# KiCad board GanJing 65 rev 2 solder-rounded.kicad_pcb
title: GanJing 65 rev 2 solder; date: 2021-11-19; rev: 2; company: Mingze Jin
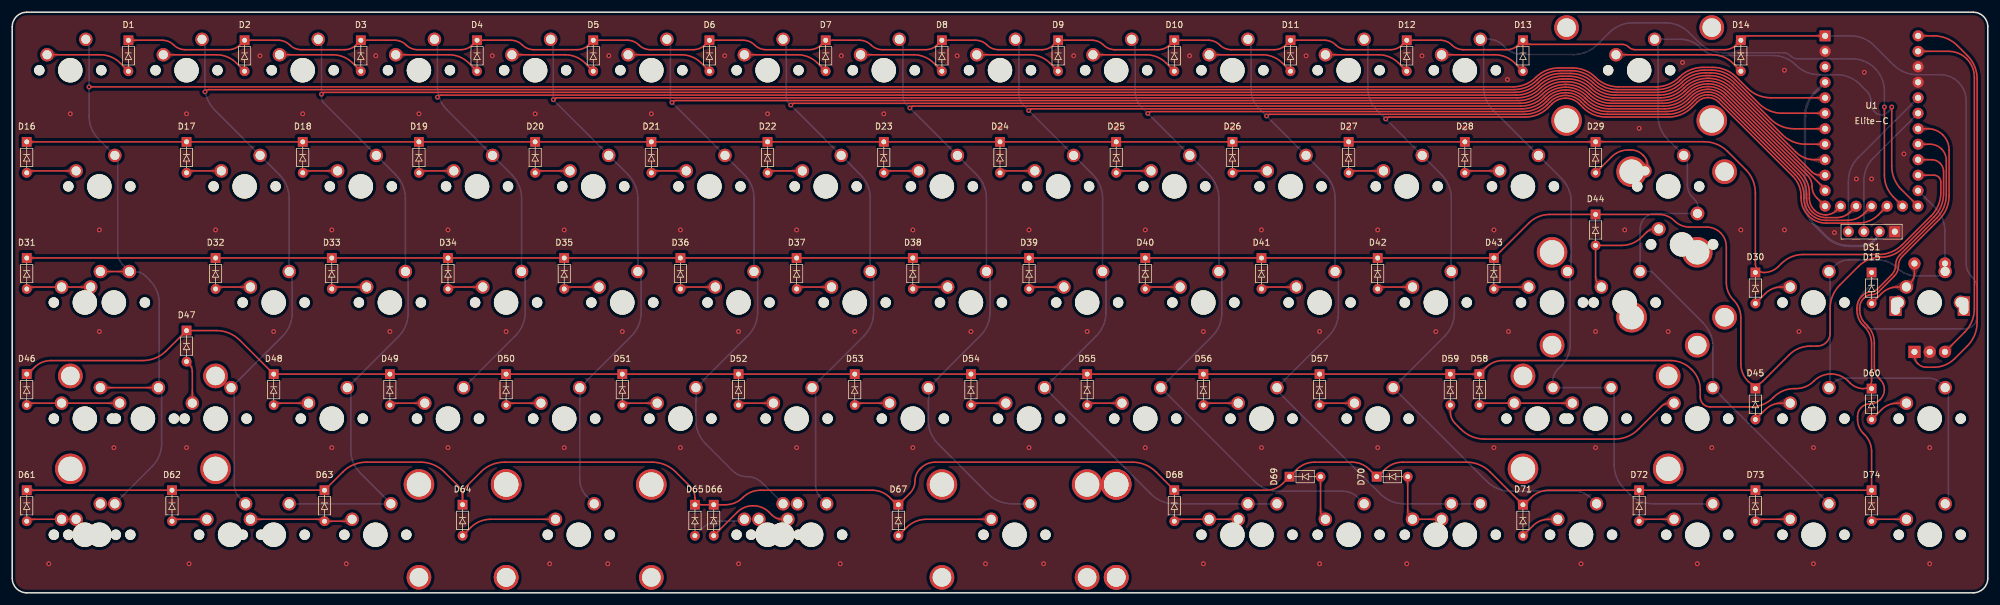
[diagram p0: board, top side]
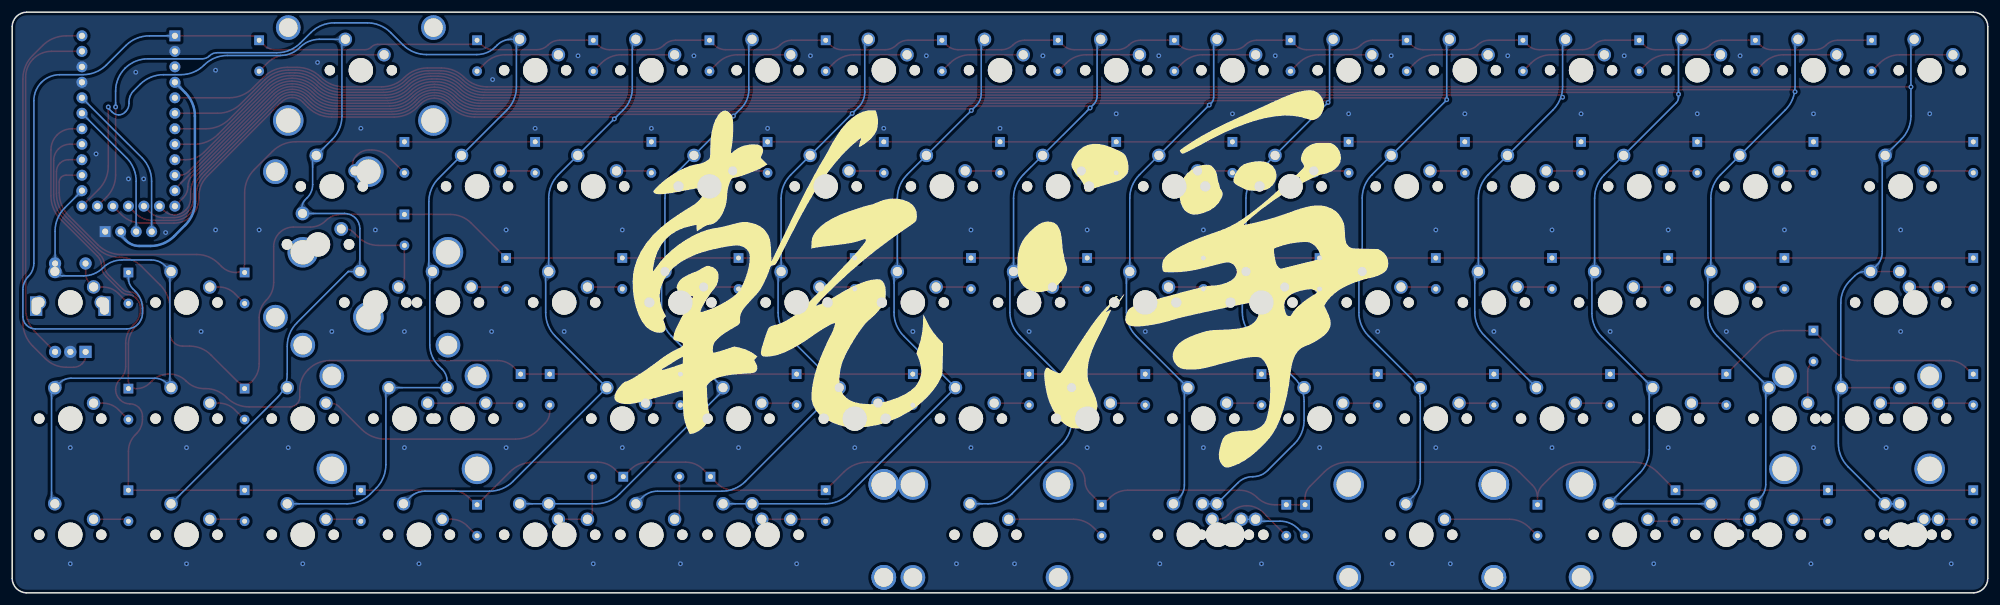
[diagram p1: board, bottom side, seen from below]

Outline 323.85 x 95.25 mm; copper layers: Top, Bottom. Coordinates in mm from the lower left corner of the outline.
Outline path: 0,92.87 0,2.38 arc(0.7,0.7) 2.38,0 321.47,0 arc(323.15,0.7) 323.85,2.38 323.85,92.87 arc(323.15,94.55) 321.47,95.25 2.38,95.25 arc(0.7,94.55) 0,92.87
Stack: Top 0.035mm / dielectric 1.51mm FR4 er 4.5 / Bottom 0.035mm

## Placement (name value [footprint] x y rotation side)
D1  -  [1N4148TR_diode]  19.05 88.11 0 top
D2  -  [1N4148TR_diode]  38.1 88.11 0 top
D3  -  [1N4148TR_diode]  57.15 88.11 0 top
D4  -  [1N4148TR_diode]  76.2 88.11 0 top
D5  -  [1N4148TR_diode]  95.25 88.11 0 top
D6  -  [1N4148TR_diode]  114.3 88.11 0 top
D7  -  [1N4148TR_diode]  133.35 88.11 0 top
D8  -  [1N4148TR_diode]  152.4 88.11 0 top
D9  -  [1N4148TR_diode]  171.45 88.11 0 top
D10  -  [1N4148TR_diode]  190.5 88.11 0 top
D11  -  [1N4148TR_diode]  209.55 88.11 0 top
D12  -  [1N4148TR_diode]  228.6 88.11 0 top
D13  -  [1N4148TR_diode]  247.65 88.11 0 top
D14  -  [1N4148TR_diode]  283.37 88.11 0 top
D15  -  [1N4148TR_diode]  304.8 50.01 0 top
D16  -  [1N4148TR_diode]  2.38 71.44 0 top
D17  -  [1N4148TR_diode]  28.57 71.44 0 top
D18  -  [1N4148TR_diode]  47.62 71.44 0 top
D19  -  [1N4148TR_diode]  66.68 71.44 0 top
D20  -  [1N4148TR_diode]  85.72 71.44 0 top
D21  -  [1N4148TR_diode]  104.78 71.44 0 top
D22  -  [1N4148TR_diode]  123.83 71.44 0 top
D23  -  [1N4148TR_diode]  142.88 71.44 0 top
D24  -  [1N4148TR_diode]  161.93 71.44 0 top
D25  -  [1N4148TR_diode]  180.97 71.44 0 top
D26  -  [1N4148TR_diode]  200.03 71.44 0 top
D27  -  [1N4148TR_diode]  219.08 71.44 0 top
D28  -  [1N4148TR_diode]  238.13 71.44 0 top
D29  -  [1N4148TR_diode]  259.56 71.44 0 top
D30  -  [1N4148TR_diode]  285.75 50.01 0 top
D31  -  [1N4148TR_diode]  2.38 52.39 0 top
D32  -  [1N4148TR_diode]  33.34 52.39 0 top
D33  -  [1N4148TR_diode]  52.39 52.39 0 top
D34  -  [1N4148TR_diode]  71.44 52.39 0 top
D35  -  [1N4148TR_diode]  90.49 52.39 0 top
D36  -  [1N4148TR_diode]  109.54 52.39 0 top
D37  -  [1N4148TR_diode]  128.59 52.39 0 top
D38  -  [1N4148TR_diode]  147.64 52.39 0 top
D39  -  [1N4148TR_diode]  166.69 52.39 0 top
D40  -  [1N4148TR_diode]  185.74 52.39 0 top
D41  -  [1N4148TR_diode]  204.79 52.39 0 top
D42  -  [1N4148TR_diode]  223.84 52.39 0 top
D43  -  [1N4148TR_diode]  242.89 52.39 0 top
D44  -  [1N4148TR_diode]  259.56 59.53 0 top
D45  -  [1N4148TR_diode]  285.75 30.96 0 top
D46  -  [1N4148TR_diode]  2.38 33.34 0 top
D47  -  [1N4148TR_diode]  28.57 40.48 0 top
D48  -  [1N4148TR_diode]  42.86 33.34 0 top
D49  -  [1N4148TR_diode]  61.91 33.34 0 top
D50  -  [1N4148TR_diode]  80.96 33.34 0 top
D51  -  [1N4148TR_diode]  100.01 33.34 0 top
D52  -  [1N4148TR_diode]  119.06 33.34 0 top
D53  -  [1N4148TR_diode]  138.11 33.34 0 top
D54  -  [1N4148TR_diode]  157.16 33.34 0 top
D55  -  [1N4148TR_diode]  176.21 33.34 0 top
D56  -  [1N4148TR_diode]  195.26 33.34 0 top
D57  -  [1N4148TR_diode]  214.31 33.34 0 top
D58  -  [1N4148TR_diode]  240.51 33.34 0 top
D59  -  [1N4148TR_diode]  235.74 33.34 0 top
D60  -  [1N4148TR_diode]  304.8 30.96 0 top
D61  -  [1N4148TR_diode]  2.38 14.29 0 top
D62  -  [1N4148TR_diode]  26.19 14.29 0 top
D63  -  [1N4148TR_diode]  51.19 14.29 0 top
D64  -  [1N4148TR_diode]  73.82 11.91 0 top
D65  -  [1N4148TR_diode]  111.92 11.91 0 top
D66  -  [1N4148TR_diode]  114.99 11.91 0 top
D67  -  [1N4148TR_diode]  145.26 11.91 0 top
D68  -  [1N4148TR_diode]  190.5 14.29 0 top
D69  -  [1N4148TR_diode]  211.93 19.05 90 top
D70  -  [1N4148TR_diode]  226.22 19.05 90 top
D71  -  [1N4148TR_diode]  247.65 11.91 0 top
D72  -  [1N4148TR_diode]  266.7 14.29 0 top
D73  -  [1N4148TR_diode]  285.75 14.29 0 top
D74  -  [1N4148TR_diode]  304.8 14.29 0 top
DS1  -  [SSD1306_128x64_OLED]  304.8 71.2 0 top
MX1  -  [MX_1u_no_LED]  9.52 85.72 0 top
MX2  -  [MX_1u_no_LED]  28.57 85.72 0 top
MX3  -  [MX_1u_no_LED]  47.62 85.72 0 top
MX4  -  [MX_1u_no_LED]  66.68 85.72 0 top
MX5  -  [MX_1u_no_LED]  85.72 85.72 0 top
MX6  -  [MX_1u_no_LED]  104.78 85.72 0 top
MX7  -  [MX_1u_no_LED]  123.83 85.72 0 top
MX8  -  [MX_1u_no_LED]  142.88 85.72 0 top
MX9  -  [MX_1u_no_LED]  161.93 85.72 0 top
MX10  -  [MX_1u_no_LED]  180.97 85.72 0 top
MX11  -  [MX_1u_no_LED]  200.03 85.72 0 top
MX12  -  [MX_1u_no_LED]  219.08 85.72 0 top
MX13  -  [MX_1u_no_LED]  238.13 85.72 0 top
MX14  -  [MX_2u_no_LED]  266.7 85.72 0 top
MX15  -  [MX_1u_no_LED#2]  314.31 47.64 0 top
MX16  -  [MX_1.5u_no_LED]  14.29 66.67 0 top
MX17  -  [MX_1u_no_LED]  38.1 66.67 0 top
MX18  -  [MX_1u_no_LED]  57.15 66.67 0 top
MX19  -  [MX_1u_no_LED]  76.2 66.67 0 top
MX20  -  [MX_1u_no_LED]  95.25 66.67 0 top
MX21  -  [MX_1u_no_LED]  114.3 66.67 0 top
MX22  -  [MX_1u_no_LED]  133.35 66.67 0 top
MX23  -  [MX_1u_no_LED]  152.4 66.67 0 top
MX24  -  [MX_1u_no_LED]  171.45 66.67 0 top
MX25  -  [MX_1u_no_LED]  190.5 66.67 0 top
MX26  -  [MX_1u_no_LED]  209.55 66.67 0 top
MX27  -  [MX_1u_no_LED]  228.6 66.67 0 top
MX28  -  [MX_1u_no_LED]  247.65 66.67 0 top
MX29  -  [MX_1.5u_no_LED]  271.46 66.67 0 top
MX30  -  [MX_1u_no_LED]  295.27 47.62 0 top
MX31  -  [MX_1.75u_no_LED]  16.67 47.62 0 top
MX32  -  [MX_1u_no_LED]  42.86 47.62 0 top
MX33  -  [MX_1u_no_LED]  61.91 47.62 0 top
MX34  -  [MX_1u_no_LED]  80.96 47.62 0 top
MX35  -  [MX_1u_no_LED]  100.01 47.62 0 top
MX36  -  [MX_1u_no_LED]  119.06 47.62 0 top
MX37  -  [MX_1u_no_LED]  138.11 47.62 0 top
MX38  -  [MX_1u_no_LED]  157.16 47.62 0 top
MX39  -  [MX_1u_no_LED]  176.21 47.62 0 top
MX40  -  [MX_1u_no_LED]  195.26 47.62 0 top
MX41  -  [MX_1u_no_LED]  214.31 47.62 0 top
MX42  -  [MX_1u_no_LED]  233.36 47.62 0 top
MX43  -  [MX_1u_no_LED]  252.41 47.62 0 top
MX44  MX_2.25u_no_LED  [MX_2.25u_no_LED_flipped_stabs]  264.32 47.62 0 top
MX45  -  [MX_1u_no_LED]  295.27 28.57 0 top
MX46  -  [MX_2.25u_no_LED]  21.43 28.57 0 top
MX47  -  [MX_1u_no_LED]  33.34 28.57 0 top
MX48  -  [MX_1u_no_LED]  52.39 28.57 0 top
MX49  -  [MX_1u_no_LED]  71.44 28.57 0 top
MX50  -  [MX_1u_no_LED]  90.49 28.57 0 top
MX51  -  [MX_1u_no_LED]  109.54 28.57 0 top
MX52  -  [MX_1u_no_LED]  128.59 28.57 0 top
MX53  -  [MX_1u_no_LED]  147.64 28.57 0 top
MX54  -  [MX_1u_no_LED]  166.69 28.57 0 top
MX55  -  [MX_1u_no_LED]  185.74 28.57 0 top
MX56  -  [MX_1u_no_LED]  204.79 28.57 0 top
MX57  -  [MX_1u_no_LED]  223.84 28.57 0 top
MX58  -  [MX_2.75u_no_LED]  259.56 28.57 0 top
MX59  -  [MX_1u_no_LED]  276.22 28.57 0 top
MX60  -  [MX_1u_no_LED]  314.32 28.57 0 top
MX61  -  [MX_1.25u_no_LED]  11.91 9.53 0 top
MX62  -  [MX_1.25u_no_LED]  35.72 9.53 0 top
MX63  -  [MX_1.25u_no_LED]  59.53 9.53 0 top
MX64  -  [MX_2.25u_no_LED_flipped_stabs]  92.87 9.53 0 top
MX65  -  [MX_1.25u_no_LED]  126.21 9.53 0 top
MX66  -  [MX_6.25u_no_LED_flipped_stabs]  130.97 9.53 0 top
MX67  -  [MX_2.75u_no_LED_flipped_stabs]  164.31 9.53 0 top
MX68  -  [MX_1u_no_LED]  200.03 9.53 0 top
MX69  -  [MX_1u_no_LED]  219.08 9.53 0 top
MX70  -  [MX_1u_no_LED]  238.13 9.53 0 top
MX71  -  [MX_1u_no_LED]  257.17 9.53 0 top
MX72  -  [MX_1u_no_LED]  276.22 9.53 0 top
MX73  -  [MX_1u_no_LED]  295.27 9.53 0 top
MX74  -  [MX_1u_no_LED]  314.32 9.53 0 top
MX75  -  [MX_1.75u_stepped_no_LED]  11.91 47.62 0 top
MX76  -  [MX_ISO_no_LED_flipped_stabs]  273.72 57.15 0 top
MX77  -  [MX_1.25u_no_LED]  11.91 28.57 0 top
MX78  -  [MX_1.75u_no_LED]  250.03 28.57 0 top
MX79  -  [MX_1.5u_no_LED]  14.29 9.53 0 top
MX80  -  [MX_1.5u_no_LED]  42.86 9.53 0 top
MX81  -  [MX_7u_no_LED_flipped_stabs]  123.83 9.53 0 top
MX82  -  [MX_1.5u_no_LED]  204.79 9.53 0 top
MX83  -  [MX_1.5u_no_LED]  233.36 9.53 0 top
REF***  -  [Logo]  161.93 47.62 0 top
SW1  -  [EC11_rotary_encoder]  314.32 47.03 0 top
U1  -  [Elite-C]  304.8 77.4 0 top

## Library data of the parts
MX1-MX13 MX15 MX17-MX28 MX30 MX32-MX43 MX45 MX47-MX57 MX59 MX60 MX68-MX74 = -: Size: 1u
MX14 = -: Size: 2u
MX16 MX29 MX79 MX80 MX82 MX83 = -: Size: 1.5u
MX31 MX75 MX78 = -: Size: 1.75u
MX44 MX46 MX64 = -: Size: 2.25u
MX58 MX67 = -: Size: 2.75u
MX61-MX63 MX65 MX77 = -: Size: 1.25u
MX66 = -: Size: 6.25u
MX76 = -: Size: ISO
MX81 = -: Size: 7u

## Footprints (pads in the part's own frame, mm; a bottom-side part is the same pattern mirrored in y, then rotated)
1N4148TR_diode
  rect 1.6x1.6 hole 0.8: 1(0,2.54)
  oval 1.6x1.6 hole 0.8: 2(0,-2.54)
EC11_rotary_encoder
  rect 2x3.2 hole 1.5x2.8 unplated: (-5.6,0) (5.6,0)
  rect 2x2 hole 1: A(-2.5,-7.5)
  round 2 hole 1: B(2.5,-7.5) C(0,-7.5) S1(2.5,7) S2(-2.5,7)
Elite-C
  rect 1.8x1.8 hole 1: 1(-7.62,13.97)
  round 1.8 hole 1: 2(-7.62,11.43) 3(-7.62,8.89) 4(-7.62,6.35) 5(-7.62,3.81) 6(-7.62,1.27) 7(-7.62,-1.27) 8(-7.62,-3.81) 9(-7.62,-6.35) 10(-7.62,-8.89) 11(-7.62,-11.43) 12(-7.62,-13.97) 13(7.62,-13.97) 14(7.62,-11.43) 15(7.62,-8.89) 16(7.62,-6.35) 17(7.62,-3.81) 18(7.62,-1.27) 19(7.62,1.27) 20(7.62,3.81) 21(7.62,6.35) 22(7.62,8.89) 23(7.62,11.43) 24(7.62,13.97) 25(-5.08,-13.97) 26(-2.54,-13.97) 27(0,-13.97) 28(2.54,-13.97) 29(5.08,-13.97)
MX_1.5u_no_LED
  round 1.7 hole 1.7 unplated: (-5.08,0) (5.08,0)
  round 4 hole 4 unplated: (0,0)
  round 2.2 hole 1.5: 1(2.54,5.08) 2(-3.81,2.54)
MX_1.25u_no_LED
  round 1.7 hole 1.7 unplated: (-5.08,0) (5.08,0)
  round 4 hole 4 unplated: (0,0)
  round 2.2 hole 1.5: 1(2.54,5.08) 2(-3.81,2.54)
MX_1.75u_no_LED
  round 1.7 hole 1.7 unplated: (-5.08,0) (5.08,0)
  round 4 hole 4 unplated: (0,0)
  round 2.2 hole 1.5: 1(2.54,5.08) 2(-3.81,2.54)
MX_1.75u_stepped_no_LED
  round 1.7 hole 1.7 unplated: (-5.08,0) (5.08,0)
  round 4 hole 4 unplated: (0,0)
  round 2.2 hole 1.5: 1(2.54,5.08) 2(-3.81,2.54)
MX_1u_no_LED
  round 1.7 hole 1.7 unplated: (-5.08,0) (5.08,0)
  round 4 hole 4 unplated: (0,0)
  round 2.2 hole 1.5: 1(2.54,5.08) 2(-3.81,2.54)
MX_1u_no_LED#2
  round 2.25 hole 1.7 unplated: (-5.08,0) (5.08,0)
  round 4 hole 4 unplated: (0,0)
  round 2.2 hole 1.5: 1(2.54,5.08) 2(-3.81,2.54)
MX_2.25u_no_LED
  round 4.05 hole 3.05 unplated: (-11.9,7) (11.9,7)
  round 5 hole 4 unplated: (-11.9,-8.24) (11.9,-8.24)
  round 1.7 hole 1.7 unplated: (-5.08,0) (5.08,0)
  round 4 hole 4 unplated: (0,0)
  round 2.2 hole 1.5: 1(2.54,5.08) 2(-3.81,2.54)
MX_2.25u_no_LED_flipped_stabs
  round 5 hole 4 unplated: (-11.9,8.24) (11.9,8.24)
  round 4.05 hole 3.05 unplated: (-11.9,-7) (11.9,-7)
  round 1.7 hole 1.7 unplated: (-5.08,0) (5.08,0)
  round 4 hole 4 unplated: (0,0)
  round 2.2 hole 1.5: 1(2.54,5.08) 2(-3.81,2.54)
MX_2.75u_no_LED
  round 4.05 hole 3.05 unplated: (-11.9,7) (11.9,7)
  round 5 hole 4 unplated: (-11.9,-8.24) (11.9,-8.24)
  round 1.7 hole 1.7 unplated: (-5.08,0) (5.08,0)
  round 4 hole 4 unplated: (0,0)
  round 2.2 hole 1.5: 1(2.54,5.08) 2(-3.81,2.54)
MX_2.75u_no_LED_flipped_stabs
  round 5 hole 4 unplated: (-11.9,8.24) (11.9,8.24)
  round 4.05 hole 3.05 unplated: (-11.9,-7) (11.9,-7)
  round 1.7 hole 1.7 unplated: (-5.08,0) (5.08,0)
  round 4 hole 4 unplated: (0,0)
  round 2.2 hole 1.5: 1(2.54,5.08) 2(-3.81,2.54)
MX_2u_no_LED
  round 4.05 hole 3.05 unplated: (-11.9,7) (11.9,7)
  round 5 hole 4 unplated: (-11.9,-8.24) (11.9,-8.24)
  round 1.7 hole 1.7 unplated: (-5.08,0) (5.08,0)
  round 4 hole 4 unplated: (0,0)
  round 2.2 hole 1.5: 1(2.54,5.08) 2(-3.81,2.54)
MX_6.25u_no_LED_flipped_stabs
  round 5 hole 4 unplated: (-50,8.255) (50,8.255)
  round 4.05 hole 3.05 unplated: (-50,-6.985) (50,-6.985)
  round 1.7 hole 1.7 unplated: (-5.08,0) (5.08,0)
  round 4 hole 4 unplated: (0,0)
  round 2.2 hole 1.5: 1(2.54,5.08) 2(-3.81,2.54)
MX_7u_no_LED_flipped_stabs
  round 5 hole 4 unplated: (-57.15,8.255) (57.15,8.255)
  round 4.05 hole 3.05 unplated: (-57.15,-6.985) (57.15,-6.985)
  round 1.7 hole 1.7 unplated: (-5.08,0) (5.08,0)
  round 4 hole 4 unplated: (0,0)
  round 2.2 hole 1.5: 1(2.54,5.08) 2(-3.81,2.54)
MX_ISO_no_LED_flipped_stabs
  round 5 hole 4 unplated: (-8.255,11.938) (-8.255,-11.938)
  round 1.75 hole 1.75 unplated: (-5.08,0) (5.08,0)
  round 3.988 hole 3.988 unplated: (0,0)
  round 4.05 hole 3.05 unplated: (6.985,11.938) (6.985,-11.938)
  round 2.25 hole 1.47: 1(2.54,5.08) 2(-3.81,2.54)
SSD1306_128x64_OLED
  rect 1.8x1.8 hole 1: 1(3.81,-11.95)
  round 1.8 hole 1: 2(1.27,-11.95) 3(-1.27,-11.95) 4(-3.81,-11.95)

## Nets
GND: DS1.1 SW1.C U1.2 U1.21 U1.22
VCC: DS1.2 U1.4
col_1: MX1.1 MX16.1 MX31.1 MX46.1 MX61.1 MX75.1 MX77.1 MX79.1 U1.5
col_2: MX2.1 MX17.1 MX32.1 MX47.1 MX62.1 U1.6
col_3: MX3.1 MX18.1 MX33.1 MX48.1 MX63.1 MX80.1 U1.7
col_4: MX4.1 MX19.1 MX34.1 MX49.1 U1.8
col_5: MX5.1 MX20.1 MX35.1 MX50.1 MX64.1 U1.9
col_6: MX6.1 MX21.1 MX36.1 MX51.1 MX65.1 MX81.1 U1.10
col_7: MX7.1 MX22.1 MX37.1 MX52.1 MX66.1 U1.11
col_8: MX8.1 MX23.1 MX38.1 MX53.1 MX67.1 U1.12
col_9: MX9.1 MX24.1 MX39.1 MX54.1 MX68.1 MX82.1 U1.25
col_10: MX10.1 MX25.1 MX40.1 MX55.1 MX69.1 U1.26
col_11: MX11.1 MX26.1 MX41.1 MX56.1 MX70.1 MX83.1 U1.27
col_12: MX12.1 MX27.1 MX42.1 MX57.1 MX71.1 U1.28
col_13: MX13.1 MX28.1 MX43.1 MX58.1 MX72.1 MX78.1 U1.29
col_14: MX14.1 MX29.1 MX44.1 MX59.1 MX73.1 MX76.1 U1.13
col_15: MX15.1 MX30.1 MX45.1 MX60.1 MX74.1 SW1.S1 U1.14
rotory_1: SW1.A U1.24
rotory_2: SW1.B U1.23
row_1: D1.1 D2.1 D3.1 D4.1 D5.1 D6.1 D7.1 D8.1 D9.1 D10.1 D11.1 D12.1 D13.1 D14.1 D15.1 U1.1
row_2: D16.1 D17.1 D18.1 D19.1 D20.1 D21.1 D22.1 D23.1 D24.1 D25.1 D26.1 D27.1 D28.1 D29.1 D30.1 U1.15
row_3: D31.1 D32.1 D33.1 D34.1 D35.1 D36.1 D37.1 D38.1 D39.1 D40.1 D41.1 D42.1 D43.1 D44.1 D45.1 U1.16
row_4: D46.1 D47.1 D48.1 D49.1 D50.1 D51.1 D52.1 D53.1 D54.1 D55.1 D56.1 D57.1 D58.1 D59.1 D60.1 U1.17
row_5: D61.1 D62.1 D63.1 D64.1 D65.1 D66.1 D67.1 D68.1 D69.1 D70.1 D71.1 D72.1 D73.1 D74.1 U1.18
S2: D15.2 MX15.2 SW1.S2
SCL: DS1.3 U1.19
SDA: DS1.4 U1.20
Net-(D1-Pad2): D1.2 MX1.2
Net-(D2-Pad2): D2.2 MX2.2
Net-(D3-Pad2): D3.2 MX3.2
Net-(D4-Pad2): D4.2 MX4.2
Net-(D5-Pad2): D5.2 MX5.2
Net-(D6-Pad2): D6.2 MX6.2
Net-(D7-Pad2): D7.2 MX7.2
Net-(D8-Pad2): D8.2 MX8.2
Net-(D9-Pad2): D9.2 MX9.2
Net-(D10-Pad2): D10.2 MX10.2
Net-(D11-Pad2): D11.2 MX11.2
Net-(D12-Pad2): D12.2 MX12.2
Net-(D13-Pad2): D13.2 MX13.2
Net-(D14-Pad2): D14.2 MX14.2
Net-(D16-Pad2): D16.2 MX16.2
Net-(D17-Pad2): D17.2 MX17.2
Net-(D18-Pad2): D18.2 MX18.2
Net-(D19-Pad2): D19.2 MX19.2
Net-(D20-Pad2): D20.2 MX20.2
Net-(D21-Pad2): D21.2 MX21.2
Net-(D22-Pad2): D22.2 MX22.2
Net-(D23-Pad2): D23.2 MX23.2
Net-(D24-Pad2): D24.2 MX24.2
Net-(D25-Pad2): D25.2 MX25.2
Net-(D26-Pad2): D26.2 MX26.2
Net-(D27-Pad2): D27.2 MX27.2
Net-(D28-Pad2): D28.2 MX28.2
Net-(D29-Pad2): D29.2 MX29.2
Net-(D30-Pad2): D30.2 MX30.2
Net-(D31-Pad2): D31.2 MX31.2 MX75.2
Net-(D32-Pad2): D32.2 MX32.2
Net-(D33-Pad2): D33.2 MX33.2
Net-(D34-Pad2): D34.2 MX34.2
Net-(D35-Pad2): D35.2 MX35.2
Net-(D36-Pad2): D36.2 MX36.2
Net-(D37-Pad2): D37.2 MX37.2
Net-(D38-Pad2): D38.2 MX38.2
Net-(D39-Pad2): D39.2 MX39.2
Net-(D40-Pad2): D40.2 MX40.2
Net-(D41-Pad2): D41.2 MX41.2
Net-(D42-Pad2): D42.2 MX42.2
Net-(D43-Pad2): D43.2 MX43.2
Net-(D44-Pad2): D44.2 MX44.2 MX76.2
Net-(D45-Pad2): D45.2 MX45.2
Net-(D46-Pad2): D46.2 MX46.2 MX77.2
Net-(D47-Pad2): D47.2 MX47.2
Net-(D48-Pad2): D48.2 MX48.2
Net-(D49-Pad2): D49.2 MX49.2
Net-(D50-Pad2): D50.2 MX50.2
Net-(D51-Pad2): D51.2 MX51.2
Net-(D52-Pad2): D52.2 MX52.2
Net-(D53-Pad2): D53.2 MX53.2
Net-(D54-Pad2): D54.2 MX54.2
Net-(D55-Pad2): D55.2 MX55.2
Net-(D56-Pad2): D56.2 MX56.2
Net-(D57-Pad2): D57.2 MX57.2
Net-(D58-Pad2): D58.2 MX58.2 MX78.2
Net-(D59-Pad2): D59.2 MX59.2
Net-(D60-Pad2): D60.2 MX60.2
Net-(D61-Pad2): D61.2 MX61.2 MX79.2
Net-(D62-Pad2): D62.2 MX62.2
Net-(D63-Pad2): D63.2 MX63.2 MX80.2
Net-(D64-Pad2): D64.2 MX64.2
Net-(D65-Pad2): D65.2 MX65.2 MX81.2
Net-(D66-Pad2): D66.2 MX66.2
Net-(D67-Pad2): D67.2 MX67.2
Net-(D68-Pad2): D68.2 MX68.2 MX82.2
Net-(D69-Pad2): D69.2 MX69.2
Net-(D70-Pad2): D70.2 MX70.2 MX83.2
Net-(D71-Pad2): D71.2 MX71.2
Net-(D72-Pad2): D72.2 MX72.2
Net-(D73-Pad2): D73.2 MX73.2
Net-(D74-Pad2): D74.2 MX74.2

Pads without a net: U1 3

## Via types
v1: diameter 0.8, hole 0.4, Top to Bottom, 112 vias

## Routing (per net, layer and track width the routed paths; a pad name or vN(x,y) marks a point on that pad's centre or on a via; arc(x,y) is an arc through that point)
GND:
  vias: v1(5.99,4.76) v1(9.52,78.58) v1(14.29,59.53) v1(14.29,42.86) v1(16.67,23.81) v1(28.57,78.58) v1(28.57,23.81) v1(28.99,4.76) v1(33.34,59.53) v1(40.6,88.1) v1(42.86,42.86) v1(47.62,78.58) v1(52.39,59.53) v1(52.39,23.81) v1(54.77,4.76) v1(59.6,88.1) v1(61.91,42.86) v1(66.68,78.58) v1(71.44,59.53) v1(71.44,23.81) v1(78.7,88.1) v1(80.96,42.86) v1(85.72,78.58) v1(88.11,4.76) v1(90.49,59.53) v1(90.49,23.81) v1(97.63,4.76) v1(97.8,88.1) v1(100.01,42.86) v1(104.78,78.58) v1(109.54,59.53) v1(109.54,23.81) v1(116.8,88.1) v1(119.06,42.86) v1(119.06,4.76) v1(123.83,78.58) v1(128.59,59.53) v1(128.59,23.81) v1(135.73,4.76) v1(135.9,88.1) v1(138.11,42.86) v1(142.88,78.58) v1(147.64,59.53) v1(147.64,23.81) v1(154.9,88.1) v1(157.16,42.86) v1(159.54,4.76) v1(161.93,76.2) v1(166.69,59.53) v1(166.69,23.81) v1(169.07,4.76) v1(174,88.1) v1(176.21,42.86) v1(180.97,76.2) v1(185.74,59.53) v1(185.74,23.81) v1(193,88.1) v1(195.26,42.86) v1(195.26,4.76) v1(200.03,76.2) v1(204.79,59.53) v1(204.79,23.81) v1(212.1,88.1) v1(214.31,42.86) v1(214.31,4.76) v1(219.08,76.2) v1(223.84,59.53) v1(223.84,23.81) v1(228.6,4.76) v1(231.1,88.1) v1(233.36,42.86) v1(238.13,76.2) v1(242.89,59.53) v1(242.89,23.81) v1(245.1,84.2) v1(245.27,42.86) v1(257.17,4.76) v1(259.56,42.86) v1(259.56,23.81) v1(264.32,59.53) v1(266.7,76.2) v1(271.46,42.86) v1(273.8,87) v1(276.22,4.76) v1(278.61,23.81) v1(283.37,59.53) v1(290.51,85.72) v1(290.51,59.53) v1(292.89,42.86) v1(295.27,23.81) v1(295.27,4.76) v1(298.7,59.1) v1(302.3,67.9) v1(303.6,85.4) v1(304.8,67.9) v1(310.1,72) v1(314.32,23.81) v1(314.32,4.76)
VCC: length 37.4
  Bottom w0.4: 306.07,58.67 305.19,57.78 arc(304.2,57.13) 303.05,56.9 301.15,56.9 arc(299.07,57.31) 297.31,58.49 295.49,60.31 arc(294.31,62.07) 293.9,64.15 293.9,78.22 arc(294.31,80.3) 295.49,82.06 U1.4
col_1: length 385.8
  Top w0.25: U1.5 288.27,81.21 arc(286.19,81.62) 284.42,82.8 282.62,84.61 arc(280.85,85.79) 278.77,86.2 277.15,86.2 arc(275.07,85.79) 273.31,84.61 273.29,84.59 arc(271.53,83.41) 269.45,83 263.29,83 arc(261.27,83.4) 259.55,84.55 arc(257.83,85.7) 255.81,86.1 253.49,86.1 arc(251.47,85.7) 249.75,84.55 arc(248.03,83.4) 246.01,83 12.62,83 arc(12.61,83) 12.61,82.99 v1(12.6,82.99) ; MX46.1 MX77.1 ; MX31.1 MX75.1
  Bottom w0.25: MX16.1 14.19,74.39 arc(13.01,76.15) 12.6,78.24 12.6,90.27 ; 24.5,33.13 24.5,24.53 arc(24.09,22.45) 22.91,20.68 17.67,15.45 arc(16.74,14.82) 15.64,14.6 14.45,14.6 ; 18.54,53.37 18.25,53.66 arc(17.55,54.72) 17.3,55.96 17.3,71.28 ; 24.1,33.78 24.1,47.58 arc(23.71,49.54) 22.6,51.2 21.76,52.04 arc(21.02,52.53) 20.15,52.71
col_2: length 355.2
  Top w0.25: U1.6 290.17,78.67 arc(288.09,79.08) 286.32,80.26 282.43,84.16 arc(280.67,85.34) 278.58,85.75 277.34,85.75 arc(275.26,85.34) 273.49,84.16 273.48,84.14 arc(271.71,82.96) 269.63,82.55 263.11,82.55 arc(261.08,82.95) 259.36,84.1 arc(257.65,85.25) 255.62,85.65 253.68,85.65 arc(251.65,85.25) 249.94,84.1 arc(248.22,82.95) 246.19,82.55 32.2,82.55 arc(31.97,82.5) 31.77,82.37 v1(31.6,82.2)
  Bottom w0.25: 31.6,90.32 31.6,83.05 arc(32.01,80.97) 33.19,79.2 43.81,68.59 arc(44.99,66.82) 45.4,64.74 MX32.1 ; 38.26,14.6 37.33,15.53 arc(36.64,16.56) 36.4,17.78 36.4,33.13 ; 45.9,52.21 45.9,45.93 arc(45.49,43.85) 44.31,42.08 MX47.1
col_3: length 355.5
  Top w0.25: v1(50.7,81.8) 50.85,81.95 arc(51.02,82.06) 51.21,82.1 246.38,82.1 arc(248.41,82.5) 250.12,83.65 arc(251.84,84.8) 253.86,85.2 255.44,85.2 arc(257.46,84.8) 259.18,83.65 arc(260.89,82.5) 262.92,82.1 269.82,82.1 arc(271.9,82.51) 273.67,83.69 273.68,83.71 arc(275.44,84.89) 277.53,85.3 278.4,85.3 arc(280.48,84.89) 282.25,83.71 288.23,77.72 arc(289.99,76.54) 292.08,76.13 U1.7
  Bottom w0.25: 50.7,90.27 v1(50.7,81.8) 50.7,81.27 arc(50.8,80.79) 51.07,80.37 62.86,68.59 arc(64.04,66.82) 64.45,64.74 MX33.1 ; 45.4,14.6 62.07,14.6 ; MX48.1 63.31,42.03 arc(64.49,43.8) 64.9,45.88 64.9,52.26 ; 62.07,14.63 57.09,19.61 arc(55.91,21.37) 55.5,23.45 55.5,33.08
col_4: length 299.6
  Top w0.25: v1(69.7,81.3) 69.87,81.47 arc(70.07,81.6) 70.3,81.65 246.57,81.65 arc(248.59,82.05) 250.31,83.2 arc(252.03,84.35) 254.05,84.75 255.25,84.75 arc(257.27,84.35) 258.99,83.2 arc(260.71,82.05) 262.73,81.65 270.01,81.65 arc(272.09,82.06) 273.85,83.24 273.87,83.26 arc(275.63,84.44) 277.71,84.85 278.21,84.85 arc(280.3,84.44) 282.06,83.26 290.13,75.18 arc(291.9,74) 293.98,73.59 U1.8
  Bottom w0.25: 69.7,90.32 69.7,83.05 arc(70.11,80.97) 71.29,79.2 81.91,68.59 arc(83.09,66.82) 83.5,64.74 MX34.1 ; 84.1,52.11 84.1,46.03 arc(83.69,43.95) 82.51,42.18 MX49.1
col_5: length 301.4
  Top w0.25: U1.9 295.41,71.05 arc(293.77,71.38) 292.38,72.3 281.87,82.81 arc(280.11,83.99) 278.03,84.4 277.9,84.4 arc(275.82,83.99) 274.05,82.81 274.04,82.79 arc(272.27,81.61) 270.19,81.2 262.55,81.2 arc(260.52,81.6) 258.8,82.75 arc(257.09,83.9) 255.06,84.3 254.24,84.3 arc(252.21,83.9) 250.5,82.75 arc(248.78,81.6) 246.75,81.2 89.21,81.2 arc(89.02,81.16) 88.85,81.05 v1(88.7,80.9)
  Bottom w0.25: 88.7,90.37 88.7,81.07 arc(88.74,80.86) 88.86,80.68 100.96,68.59 arc(102.14,66.82) 102.55,64.74 MX35.1 ; 95.41,14.6 94.22,15.8 arc(93.34,17.11) 93.03,18.67 93.03,31.4 arc(93.44,33.48) 94.62,35.25 101.51,42.13 arc(102.69,43.9) 103.1,45.98 103.1,52.16
col_6: length 291.2
  Top w0.25: U1.10 296.36,68.51 arc(295.6,68.66) 294.95,69.09 281.6,82.44 arc(279.93,83.56) 277.96,83.95 arc(275.99,83.56) 274.32,82.44 274.23,82.34 arc(272.46,81.16) 270.38,80.75 262.36,80.75 arc(260.33,81.15) 258.62,82.3 arc(256.9,83.45) 254.88,83.85 254.42,83.85 arc(252.4,83.45) 250.68,82.3 arc(248.97,81.15) 246.94,80.75 108.66,80.75 arc(108.47,80.71) 108.3,80.6 v1(108.15,80.45)
  Bottom w0.25: 107.9,90.22 107.9,80.87 arc(107.93,80.71) 108.02,80.57 v1(108.15,80.45) 120.01,68.59 arc(121.19,66.82) 121.6,64.74 MX36.1 ; 122.2,52.11 122.2,46.03 arc(121.79,43.95) 120.61,42.18 113.67,35.25 arc(112.49,33.48) 112.08,31.4 112.08,28.29 arc(112.49,26.21) 113.67,24.44 118.05,20.06 arc(119.17,19.31) 120.49,19.05 arc(121.81,18.79) 122.93,18.04 125.52,15.45 arc(126.46,14.82) 127.56,14.6 128.75,14.6
col_7: length 263.7
  Top w0.25: v1(127.62,80.02) 127.76,80.16 arc(127.91,80.26) 128.1,80.3 247.13,80.3 arc(249.15,80.7) 250.87,81.85 arc(252.59,83) 254.61,83.4 254.69,83.4 arc(256.71,83) 258.43,81.85 arc(260.15,80.7) 262.17,80.3 270.56,80.3 arc(272.65,80.71) 274.41,81.89 274.64,82.12 arc(276.17,83.14) 277.96,83.5 arc(279.76,83.14) 281.29,82.12 297.18,66.23
  Bottom w0.25: 126.9,90.27 126.9,81.26 arc(126.99,80.78) 127.26,80.38 v1(127.62,80.02) 139.06,68.59 arc(140.24,66.82) 140.65,64.74 MX37.1 ; 133.51,14.6 132.6,15.51 arc(131.94,16.51) 131.7,17.69 131.7,33.08 ; 141.2,52.16 141.2,45.98 arc(140.79,43.9) 139.61,42.13 MX52.1
col_8: length 255.3
  Top w0.25: U1.12 295.81,64.8 arc(295.25,65.64) 295.05,66.64 arc(294.85,67.64) 294.28,68.49 280.97,81.81 arc(279.59,82.73) 277.96,83.05 arc(276.34,82.73) 274.96,81.81 274.6,81.44 arc(272.83,80.26) 270.75,79.85 261.99,79.85 arc(259.96,80.25) 258.25,81.4 258.14,81.5 arc(256.54,82.57) 254.65,82.95 arc(252.76,82.57) 251.16,81.5 251.05,81.4 arc(249.34,80.25) 247.31,79.85 147.66,79.85 arc(147.47,79.81) 147.3,79.7 v1(147.15,79.55)